# Altium PCB PCB.PcbDoc
Units mm, origin at the board's own origin, x right, y up, seen from the top; angles counter-clockwise.
Board outline 110 x 84.2 mm, 2 copper layers (Top Layer, Bottom Layer); 112 components, 98 nets, 406 pads, 434 vias.
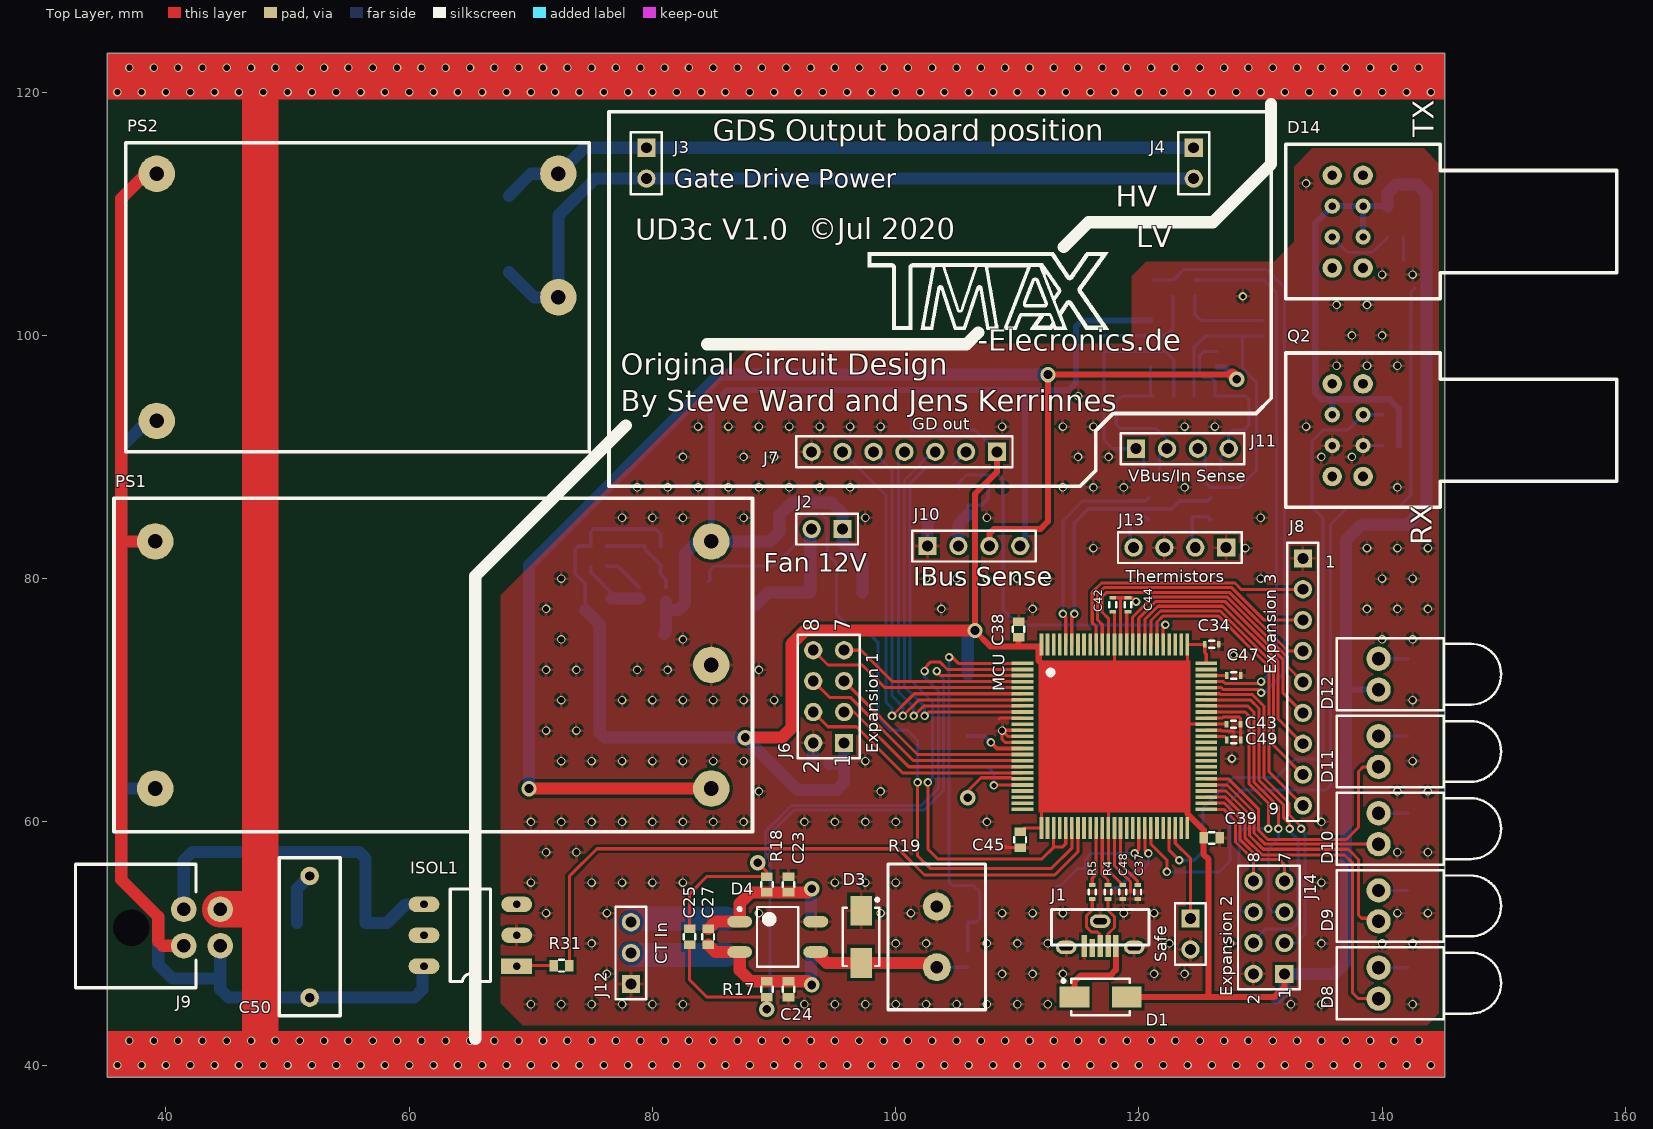
[diagram p0: Top Layer view]
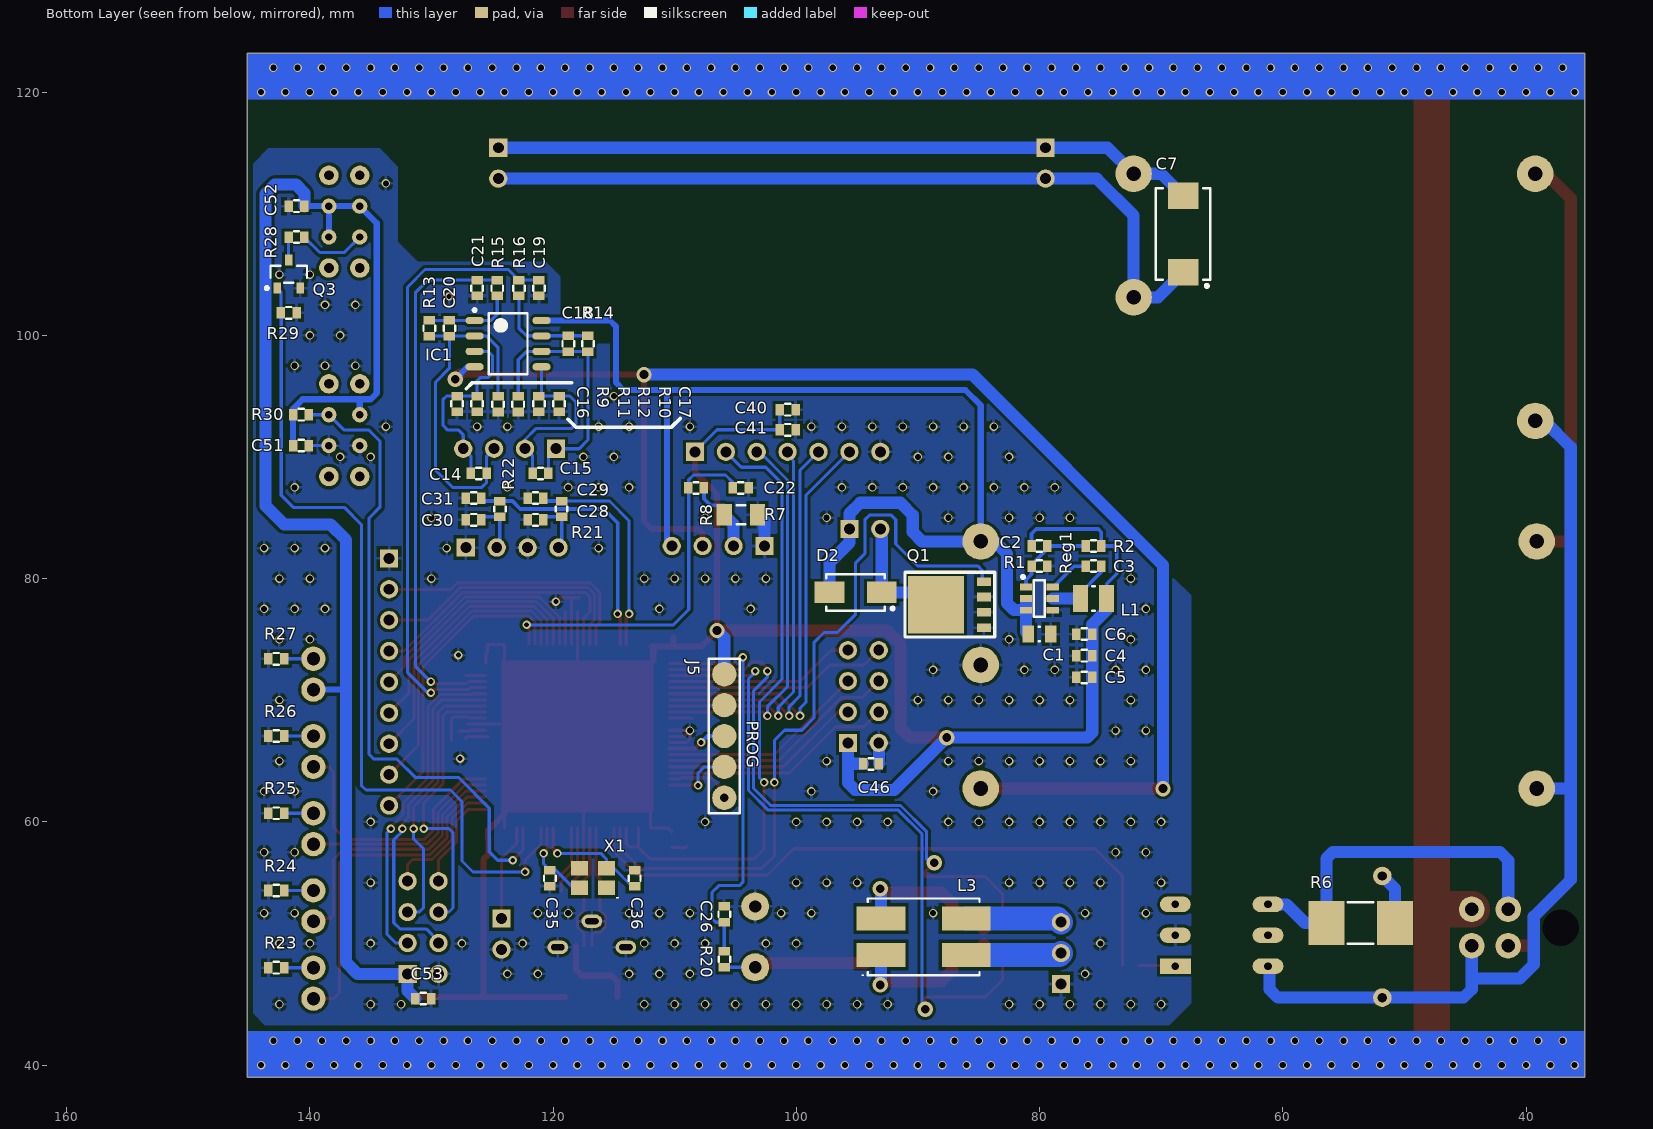
[diagram p1: Bottom Layer view, seen from below]
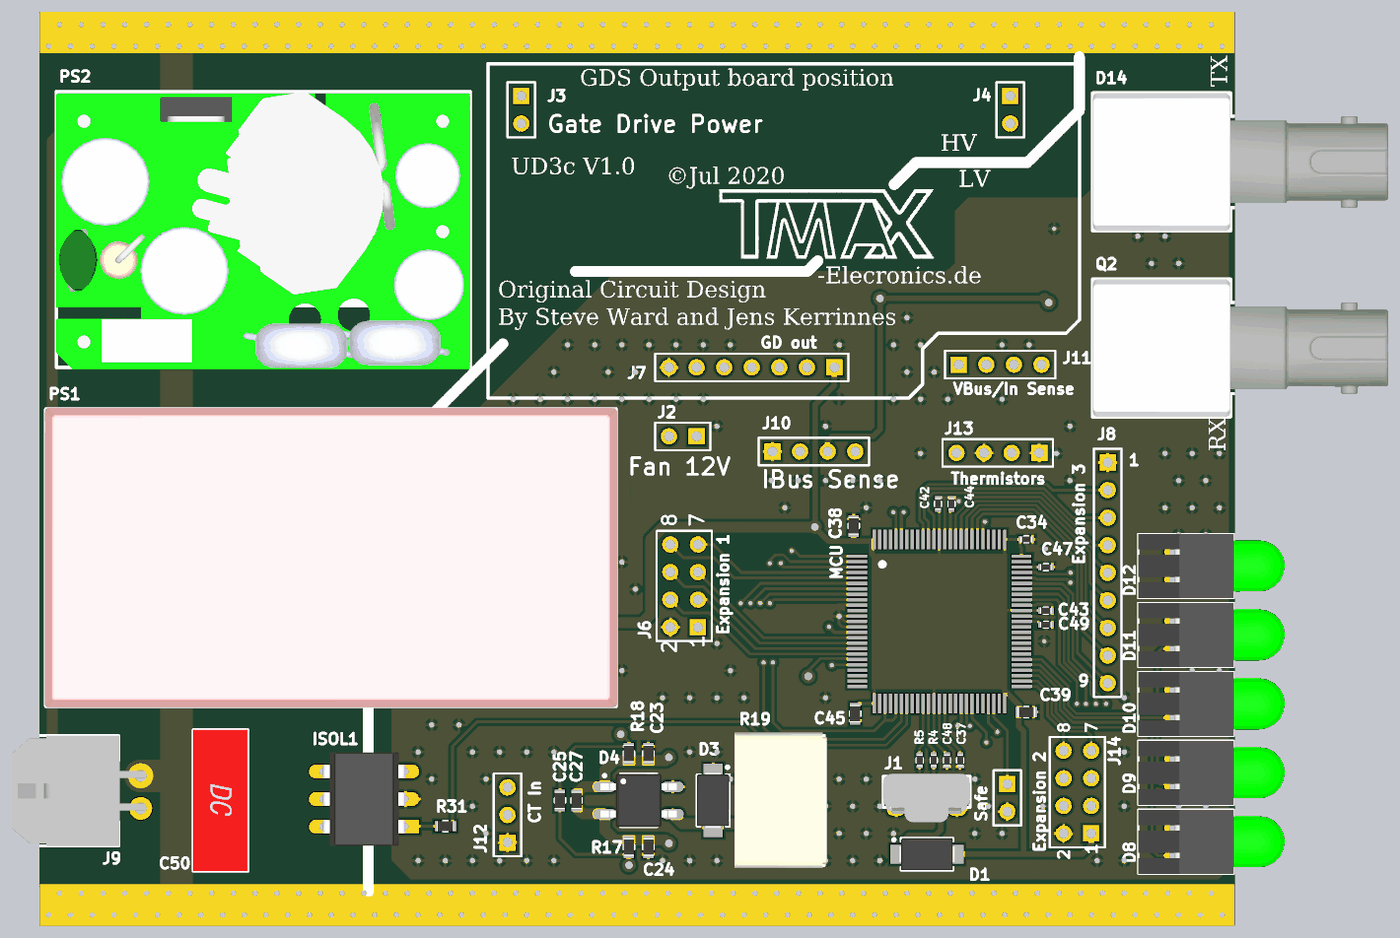
[diagram p2: 3D render of the assembled board from above, using the file's embedded part models]
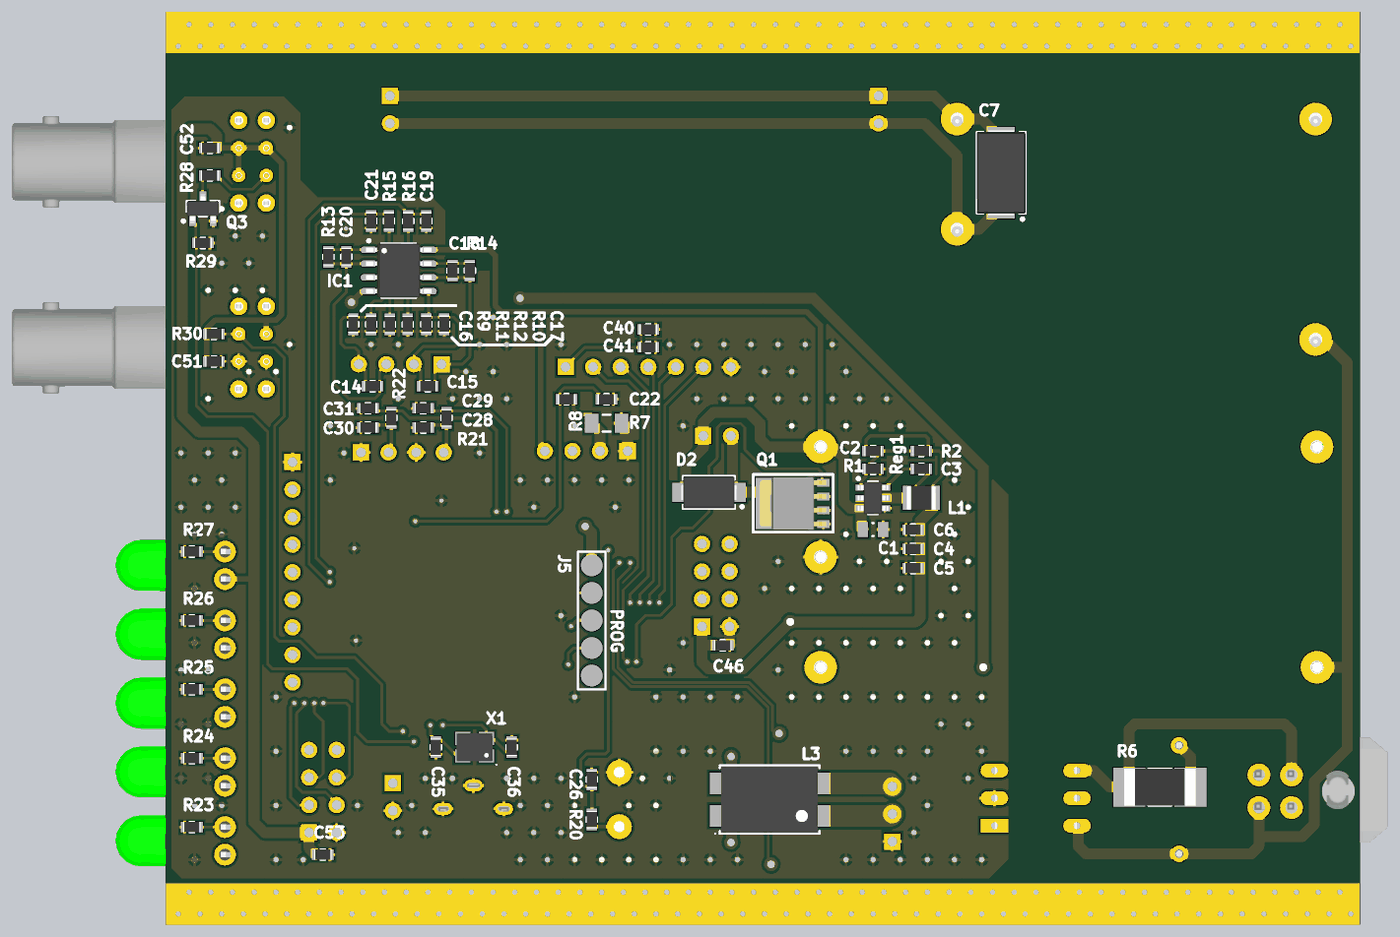
[diagram p3: 3D render of the assembled board from below, using the file's embedded part models]

## Layer stack, top to bottom
Top Solder: solder mask 0.0102, Solder Resist, Dk 3.5
Top Layer: signal copper 0.0356
Dielectric 1: dielectric 0.32, FR-4, Dk 4.8
Bottom Layer: signal copper 0.0356
Bottom Solder: solder mask 0.0102, Solder Resist, Dk 3.5

## Board outline
35.161,38.989 35.161,123.189 145.161,123.189 145.161,38.989

## Design rules (kind name [scope] priority, off if disabled: settings)
Clearance [All] p1: gap=0.254 ignorepadtopadclearanceinfootprint=FALSE except(0: Arc-Hole Track-Hole SMDPad-Hole THPad-Hole Via-Hole Fill-Hole Poly-Hole Region-Hole Text-Hole; 0.127: Arc-Arc Arc-Track Arc-SMDPad Arc-THPad Arc-Via Track-Track Track-SMDPad Track-THPad Track-Via SMDPad-SMDPad SMDPad-THPad SMDPad-Via THPad-THPad THPad-Via Via-Via)
DiffPairsRouting [All] p1: maxlimit=0.254 minlimit=0.254 mostfreqgap=0.254 toplayer_minwidth=0.381 toplayer_maxwidth=0.381 toplayer_prefwidth=0.381 bottomlayer_minwidth=0.381 bottomlayer_maxwidth=0.381 bottomlayer_prefwidth=0.381 maxuncoupledlength=12.7
PolygonConnect [All] p1: connectstyle=Relief reliefconductorwidth=0.254 reliefentries=4 polygonreliefangle="90 Angle" airgapwidth=0.254
RoutingVias [All] p1: holewidth=0.711 width=1.27 viastyle="Through Hole" minholewidth=0.711 minwidth=1.27 maxholewidth=0.711 maxwidth=1.27
SolderMaskExpansion [All] p1: expansion=0.102
Width [All] p1: maxlimit=10 minlimit=0.127 preferedwidth=0.3 minimp=50.000000 maximp=50.000000 favimp=50.000000
29 further rules are at their usual default settings.

## Classes and differential pairs
differential pair D: +D_P -D_N

## Components (designator, comment, footprint, x,y, rotation, side; value= is the part's Value field where it differs from the comment)
C1 "10uF 12V" 0805 80.01,75.438 r0 bottom
C2 "100p" 0603 80.01,82.677 r180 bottom
C3 "100n" 0603 75.565,81.026 r180 bottom
C4 "100n" 0603 76.312,73.66 r0 bottom
C5 "100n" 0603 76.312,71.882 r0 bottom
C6 "100n" 0603 76.312,75.438 r0 bottom
C7 "22uF 25V" "2917 Tantalum" 68.199,108.331 r270 bottom
C14 "C0805C103K1RACTU" 0603 126.111,88.646 r0 bottom value=10nF
C15 "C0805C103K1RACTU" 0603 121.031,88.646 r0 bottom value=10nF
C16 "C0805C103K1RACTU" 0603 127.889,94.361 r90 bottom value=10nF
C17 "C0805C103K1RACTU" 0603 119.507,94.361 r90 bottom value=10nF
C18 "C0805C103K1RACTU" 0603 118.745,99.314 r90 bottom value=10nF
C19 "C0805C102K5RACTU" 0603 121.158,103.886 r90 bottom value=1nF
C20 "C0805C103K1RACTU" 0603 128.524,100.584 r90 bottom value=10nF
C21 "C0805C102K5RACTU" 0603 126.238,103.886 r90 bottom value=1nF
C22 "1n" 0603 104.565,87.46 r0 bottom
C23 "C0805C151J5GACTU" 0603 91.186,54.849 r270 top value=150pF
C24 "C0805C151J5GACTU" 0603 91.186,46.243 r90 top value=150pF
C25 "C0805C151J5GACTU" 0603 83.058,50.546 r270 top value=150pF
C26 "C0805C151J5GACTU" 0603 105.918,52.396 r270 bottom value=150pF
C27 "C0805C102K5RACTU" 0603 84.582,50.546 r270 top value=1nF
C28 "C0805C105K4RACTU" 0603 121.439,84.836 r180 bottom value=0.1uF
C29 "C0805C105K4RACTU" 0603 121.439,86.614 r180 bottom value=0.1uF
C30 "C0805C105K4RACTU" 0603 126.534,84.836 r180 bottom value=0.1uF
C31 "C0805C105K4RACTU" 0603 126.534,86.614 r180 bottom value=0.1uF
C34 "1uF" 0402 125.984,74.597 r180 top
C35 "18pF" 0603 120.269,55.372 r270 bottom
C36 "18pF" 0603 113.284,55.372 r90 bottom
C37 "1uF" 0402 119.888,54.229 r270 top
C38 "1uF" 0603 110.101,75.819 r90 top
C39 "100nF" 0603 125.984,58.674 r0 top
C40 "10uF" 0603 100.711,93.886 r180 bottom
C41 "100n" 0603 100.711,92.235 r180 bottom
C42 "1uF" 0402 117.848,77.851 r90 top
C43 "1uF" 0402 127.778,68.021 r0 top
C44 "1uF" 0402 119.101,77.851 r90 top
C45 "1uF" 0603 110.236,58.532 r270 top
C46 "100nF" 0603 93.853,64.77 r0 bottom
C47 "100nF" 0402 127.784,72.031 r180 top
C48 "1uF" 0402 118.676,54.229 r90 top
C49 "1uF" 0402 127.787,66.726 r180 top
C50 "10nF 275V AC" "Würth Film Cap 13x5" 51.816,50.546 r270 top
C51 "1uF" 0603 140.716,90.932 r180 bottom
C52 "100nF" 0603 141.097,110.617 r180 bottom
C53 "C0805C104K5RACTU" 0603 130.683,45.466 r0 bottom value=0.1uF
D1 "Diode" DO-214 116.84,45.593 r0 top
D2 "Diode" DO-214 95.123,78.867 r0 bottom
D3 "SMBJ5.0A-TR" do-214 97.155,50.546 r270 top
D4 "Bridge1" MBS-2 90.297,50.546 r0 top
D8 "Interrupt" "LED 5mm Right angle" 139.7,46.736 r90 top
D9 "Fault" "LED 5mm Right angle" 139.7,53.086 r90 top
D10 "Current Limit" "LED 5mm Right angle" 139.7,59.436 r90 top
D11 "Serial Data" "LED 5mm Right angle" 139.7,65.786 r90 top
D12 "Power" "LED 5mm Right angle" 139.7,72.136 r90 top
D14 "HFBR-141X" HFBR-1414MZ 138.43,109.347 r90 top
IC1 "TL082BCD" SOIC8 123.698,99.314 r180 bottom (schematic designator U?)
ISOL1 "OptoTriac" Dip6 68.834,48.133 r180 top (schematic designator T?)
J1 "USB 2.0 Type B Micro" WM9734CT 116.81,49.934 r180 top
J2 "Fan 12V" HDR1X2 95.631,84.074 r180 top
J3 "Gate Drive Power" HDR1X2 79.502,115.424 r270 top
J4 "Gate Drive Power" HDR1X2 124.502,115.424 r270 top
J5 "PROG" HDR1X5 105.918,72.136 r270 bottom
J6 "Expansion 1" HDR2X4 95.758,66.491 r90 top
J7 "GD out" HDR1X7 108.331,90.424 r180 top
J8 "Expansion 3" HDR1X9 133.477,81.661 r270 top
J9 "Mains in" "Micro Fit 4 Pin" 39.497,51.308 r270 top
J10 "IBus Sense" HDR1X4 102.616,82.677 r0 top
J11 "VBus/In Sense" HDR1X4 119.761,90.678 r0 top
J12 "CT In" HDR1X3 78.232,46.666 r90 top
J13 "Thermistors" HDR1X4 127.169,82.55 r180 top
J14 "Expansion 2" HDR2X4 131.953,47.498 r90 top
L1 "10uH SW" 1008 75.565,78.359 r180 bottom
L3 "DLW5BTN501SQ2L" "SON127P600 4 POS (8.50mm x 5.60mm)" 89.535,50.546 r180 bottom
MCU "CY8C5868AXI-LP032" TQFP100 117.983,67.056 r0 top locked
PS1 "RAC20" "RAC20 Power supply" 61.976,72.898 r0 top locked
PS2 "CFM12 PS" "CFM12 power supply" 55.753,103.124 r0 top locked
Q1 "Mosfet N" LFPAK56 86.868,77.851 r90 bottom
Q2 "HFBR-141X" "HFBR-1414MZ - receiver" 138.43,92.202 r90 top locked
Q3 "Mosfet N" "sot 23" 141.732,105.029 r90 bottom
R1 "30k" 0603 80.01,81.026 r0 bottom
R2 "158k" 0603 75.565,82.677 r180 bottom
R4 "22" 0402 117.46,54.229 r270 top
R5 "22" 0402 116.16,54.229 r270 top
R6 "47Ohm 350V" 2512 53.594,51.689 r180 bottom
R7 "49.9" 1206 104.554,85.248 r180 bottom
R8 "470" 0603 108.241,87.46 r0 bottom
R9 "RN732ATTD2501B25" 0603 126.238,94.361 r90 bottom
R10 "RN732ATTD2501B25" 0603 121.158,94.361 r270 bottom
R11 "RN732BTTD5001B25" 0603 124.515,94.346 r90 bottom
R12 "RN732BTTD5001B25" 0603 122.864,94.346 r90 bottom
R13 "RN732BTTD5001B25" 0603 130.175,100.584 r90 bottom
R14 "RN732BTTD5001B25" 0603 117.141,99.314 r90 bottom
R15 "CRCW08051K00FKEA" 0603 124.587,103.886 r90 bottom value=1k
R16 "CRCW08051K00FKEA" 0603 122.809,103.886 r90 bottom value=1k
R17 "CRCW0805100RFKEA" 0603 89.408,46.243 r270 top value=100
R18 "CRCW0805100RFKEA" 0603 89.408,54.849 r90 top value=100
R19 "261-3.3-RC" "SQM-03 3W" 103.378,50.546 r90 top value=3.3
R20 "CRCW08051K00FKEA" 0603 105.918,48.696 r90 bottom value=1k
R21 "CRCW0805100RFKEA" 0603 119.295,85.725 r90 bottom value=100
R22 "CRCW0805100RFKEA" 0603 124.375,85.725 r90 bottom value=100
R23 "1k" 0603 142.748,48.006 r0 bottom
R24 "1k" 0603 142.748,54.356 r0 bottom
R25 "1k" 0603 142.748,60.706 r0 bottom
R26 "1k" 0603 142.748,67.056 r0 bottom
R27 "1k" 0603 142.748,73.406 r0 bottom
R28 "47Ohm" 0603 141.097,108.077 r180 bottom
R29 "1k" 0603 141.732,101.854 r0 bottom
R30 "680" 0603 140.716,93.472 r0 bottom
R31 "220" 0603 72.517,48.171 r0 top
Reg1 "Buck regulator" TSOT26 80.01,78.359 r180 bottom
Safe "Default" HDR1X2 124.233,52.046 r270 top
X1 "16MHz" "ECS-3225MV Oscillator" 116.713,55.372 r0 bottom

## Footprints (in the part's own frame and the unit in brackets; to place one, negate y for a bottom-side part, rotate by r counter-clockwise, add the part's x,y. Pads: shape width x height; smd on the part's side, far side on the other; paste and mask are expansions set on the pad)
0402 [mm]
  rect 0.3x0.55 smd: 1(-0.575,0) 2(0.575,0)
  silkscreen extent -0.2,-0.28 0.2,0.28, body extent -0.52,-0.27 0.53,0.28, height 0.4
0603 [mm] "Chip Resistor, 2-Leads, Body 1.55x0.85mm, IPC Medium Density"
  rect 0.7x0.95 smd: 1(-0.65,0) 2(0.65,0)
  silkscreen extent -0.2,-0.48 0.2,0.48, body extent -0.8,-0.48 0.8,0.47, height 0.55
0805 [mm] "Chip Resistor, 2-Leads, Body 2.00x1.25mm, IPC Medium Density"
  rect 0.95x1.4 smd: 1(-0.925,0) 2(0.925,0)
  silkscreen extent -0.05,-0.6 0.05,0.6, body extent -1.05,-0.7 1.05,0.7, height 0.55
1008 [mm] "Chip Inductor, 2-Leads, Body 2,50x2,00mm, IPC Medium Density"
  rect 1.23x2.22 smd: 1(-1.085,0) 2(1.085,0)
  silkscreen extent -0.1,-1.01 0.1,1.01, body extent -1.35,-1.1 1.35,1.1, height 1.2
1206 [mm] "Chip Resistor, 2-Leads, Body 3.15x1.60mm, IPC Medium Density"
  rect 1.25x1.75 smd: 1(-1.375,0) 2(1.375,0)
  silkscreen extent -0.35,-0.77 0.35,0.77, body extent -1.65,-0.87 1.65,0.87, height 0.65
2512 [mm] "Chip Resistor, 2-Leads, Body 6.35x3.18mm, IPC Medium Density"
  rect 2.95x3.6 smd: 1(-2.825,0) 2(2.825,0)
  silkscreen extent -1.05,-1.7 1.05,1.7, body extent -3.3,-1.71 3.3,1.71, height 0.85
"2917 Tantalum" [mm] "Molded Capacitor, 2-Leads, Body 7.30x4.30mm, IPC Medium Density"
  rect 2.15x2.5 smd: 1(-3.15,0) 2(3.15,0)
  silkscreen extent -3.75,-2.25 4.39,2.25, body extent -3.97,-2.25 3.97,2.25, height 3.1
"CFM12 power supply" [mm]
  round 3 hole 1.2: 1(-16.51,10.16) 2(-16.51,-10.16) 3(16.51,0) 4(16.51,10.16)
  silkscreen extent -19.05,-12.7 19.05,12.7, body extent -19.05,-12.9 19.05,12.7, height 18
Dip6 [mm]
  rect 2.54x1.27 hole 0.635: 1(0,0)
  oval 2.54x1.27 hole 0.635: 2(0,-2.54) 3(0,-5.08) 4(7.62,-5.08) 5(7.62,-2.54) 6(7.62,0)
  silkscreen extent 2.16,-6.35 5.46,1.27, body extent 0,-6.84 7.62,1.76, height 4.78
DO-214 [mm] "Molded Diode, 2-Leads, Body 4.38x2.73mm, IPC Medium Density"
  rect 2.45x1.75 smd: 1(-2.15,0) 2(2.15,0)
  silkscreen extent -3.17,-1.5 2.4,1.5, body extent -2.59,-1.47 2.59,1.47, height 2.2
do-214 [mm] "Molded Diode, 2-Leads, Body 4.38x2.73mm, IPC Medium Density"
  rect 2.45x1.75 smd: 1(-2.15,0) 2(2.15,0)
  silkscreen extent -3.17,-1.5 2.4,1.5, body extent -2.6,-1.48 2.6,1.48, height 2.2
"ECS-3225MV Oscillator" [mm] "SON, 4-Leads, Body 2,50x3,20mm, Pitch 1,60mm, Thermal Pad 0,00x0,00mm, IPC Low Density"
  rect 1.4x1.2 smd: 1(-1.1,0.8) 2(-1.1,-0.8) 3(1.1,-0.8) 4(1.1,0.8)
  silkscreen extent -2.06,1.56 -1.96,1.66, body extent -1.65,-1.3 1.65,1.3, height 1.2
HDR1X2 [mm] "Connector; Header; 2 Position"
  rect 1.5x1.5 hole 0.9: 1(0,0)
  round 1.5 hole 0.9: 2(2.54,0)
  silkscreen extent -1.27,-1.27 3.81,1.27
HDR1X3 [mm] "Connector; Header; 3 Position"
  rect 1.5x1.5 hole 0.9: 1(0,0)
  round 1.5 hole 0.9: 2(2.54,0) 3(5.08,0)
  silkscreen extent -1.27,-1.27 6.35,1.27
HDR1X4 [mm] "Connector; Header; 4 Position"
  rect 1.5x1.5 hole 0.9: 1(0,0)
  round 1.5 hole 0.9: 2(2.54,0) 3(5.08,0) 4(7.62,0)
  silkscreen extent -1.27,-1.27 8.89,1.27
HDR1X5 [mm] "Connector; Header; 5 Position"
  round 2 smd: 1(0,0) 2(2.54,0) 3(5.08,0) 4(7.62,0) 5(10.16,0)
  silkscreen extent -1.27,-1.27 11.43,1.27
HDR1X7 [mm] "Connector; Header; 7 Position"
  rect 1.5x1.5 hole 0.9: 1(0,0)
  round 1.5 hole 0.9: 2(2.54,0) 3(5.08,0) 4(7.62,0) 5(10.16,0) 6(12.7,0) 7(15.24,0)
  silkscreen extent -1.27,-1.27 16.51,1.27
HDR1X9 [mm] "Connector; Header; 9 Position"
  rect 1.5x1.5 hole 0.9: 1(0,0)
  round 1.5 hole 0.9: 2(2.54,0) 3(5.08,0) 4(7.62,0) 5(10.16,0) 6(12.7,0) 7(15.24,0) 8(17.78,0) 9(20.32,0)
  silkscreen extent -1.27,-1.27 21.59,1.27
HDR2X4 [mm] "Connector; Header; 4x2 Position"
  rect 1.5x1.5 hole 0.9: 1(0,0)
  round 1.5 hole 0.9: 2(0,2.54) 3(2.54,0) 4(2.54,2.54) 5(5.08,0) 6(5.08,2.54) 7(7.62,0) 8(7.62,2.54)
  silkscreen extent -1.27,-1.27 8.89,3.81
HFBR-1414MZ [mm]
  round 1.25 hole 0.6: A(-1.27,0) A(1.27,2.54) A(1.27,0) C(-1.27,2.54)
  round 1.6 hole 0.8: ""(-3.81,0) ""(-3.81,2.54) ""(3.81,0) ""(3.81,2.54)
  silkscreen extent -6.35,-20.85 6.35,6.35, body extent -6.35,-20.85 6.35,6.35, height 10.2
"HFBR-1414MZ - receiver" [mm]
  round 1.25 hole 0.6: 2(1.27,2.54) 3(-1.27,2.54) 3(-1.27,0) 6(1.27,0)
  round 1.6 hole 0.8: ""(-3.81,0) ""(-3.81,2.54) ""(3.81,0) ""(3.81,2.54)
  silkscreen extent -6.35,-20.85 6.35,6.35, body extent -6.35,-20.85 6.35,6.35, height 10.2
"LED 5mm Right angle" [mm]
  round 2 hole 1.1: 1(-1.27,0) 2(1.27,0)
  silkscreen extent -2.95,-10.08 2.95,3.42, body extent -2.95,-10.08 2.95,3.42, height 6
LFPAK56 [mm]
  rect 4.7x4.6 smd: D(0,1.639)
  rect 0.7x1.15 smd: G(1.905,-2.286) S(-1.905,-2.286) S(-0.635,-2.286) S(0.635,-2.286)
  silkscreen extent -2.67,-3.19 2.67,4.18, body extent -2.4,-2.56 2.41,3.55, height 0.98
MBS-2 [mm] "SOP, 4-Leads, Body 4,70x4,00mm, Pitch 2,50mm, IPC Low Density"
  oval 2.05x0.95 smd: 1(-3.125,1.25) 2(-3.125,-1.25) 3(3.125,-1.25) 4(3.125,1.25)
  silkscreen extent -3.25,-2.45 1.7,2.45, body extent -3.5,-2.45 3.5,2.45, height 2.7
"Micro Fit 4 Pin" [mm]
  round 2.1 hole 1.1: 1(1.5,4.968) 2(1.5,1.969) 3(-1.5,4.968) 4(-1.5,1.968)
  round 0 hole 3: 13(0,-2.351)
  silkscreen extent -5.21,-6.95 4.95,2.96, body extent -5.2,-6.88 4.95,5.36, height 8.83
"RAC20 Power supply" [mm]
  round 3 hole 1.2: 1(-22.86,10.16) 2(-22.86,-10.16) 3(22.86,-10.16) 4(22.86,0) 5(22.86,10.16)
  silkscreen extent -26.25,-13.7 26.25,13.7, body extent -26.35,-13.8 26.35,13.8, height 23.15
SOIC8 [mm] "SOIC, 8-Leads, Body 4.90x3.90mm, Pitch 1.27mm, IPC Medium Density"
  oval 1.5x0.6 smd: 1(-2.75,1.905) 2(-2.75,0.635) 3(-2.75,-0.635) 4(-2.75,-1.905) 5(2.75,-1.905) 6(2.75,-0.635) 7(2.75,0.635) 8(2.75,1.905)
  silkscreen extent -2.88,-2.5 1.6,2.88, body extent -3,-2.5 3,2.5, height 1.75
"SON127P600 4 POS (8.50mm x 5.60mm)" [mm] "SON, 4-Leads, Body 5.60x8.50mm, Pitch 3.00mm, IPC High Density, Würth Choke"
  rect 4x2 smd: 1(-3.5,-1.5) 2(-3.5,1.5) 3(3.5,1.5) 4(3.5,-1.5)
  silkscreen extent -5.05,-3.2 4.6,3.15, body extent -4.45,-3 4.45,3, height 3.2
"sot 23" [mm] "SOT23, 3-Leads, Body 2.90x2.30mm, Pitch 0.95mm, IPC Medium Density"
  rect 0.9x0.6 smd: 1(-1.15,0.95) 2(-1.15,-0.95) 3(1.15,0)
  silkscreen extent -1.27,-1.5 0.7,1.93, body extent -1.3,-1.5 1.3,1.5, height 1.1
"SQM-03 3W" [mm] "SQM-03 3W"
  round 2.3 hole 1: 1(2.5,0) 2(-2.5,0)
  silkscreen extent -6,-4 6,4, body extent -6.25,-4.25 6.25,4.25, height 25
TQFP100 [mm]
  rect 1.8x0.3 smd: 1(-7.55,5.975) 2(-7.55,5.475) 3(-7.55,4.975) 4(-7.55,4.475) 5(-7.55,3.975) 6(-7.55,3.475) 7(-7.55,2.975) 8(-7.55,2.475) 9(-7.55,1.975) 10(-7.55,1.475) 11(-7.55,0.975) 12(-7.55,0.475) 13(-7.55,-0.025) 14(-7.55,-0.525) 15(-7.55,-1.025) 16(-7.55,-1.525) 17(-7.55,-2.025) 18(-7.55,-2.525) 19(-7.55,-3.025) 20(-7.55,-3.525) 21(-7.55,-4.025) 22(-7.55,-4.525) 23(-7.55,-5.025) 24(-7.55,-5.525) 25(-7.55,-6.025) 51(7.55,-6.025) 52(7.55,-5.525) 53(7.55,-5.025) 54(7.55,-4.525) 55(7.55,-4.025) 56(7.55,-3.525) 57(7.55,-3.025) 58(7.55,-2.525) 59(7.55,-2.025) 60(7.55,-1.525) 61(7.55,-1.025) 62(7.55,-0.525) 63(7.55,-0.025) 64(7.55,0.475) 65(7.55,0.975) 66(7.55,1.475) 67(7.55,1.975) 68(7.55,2.475) 69(7.55,2.975) 70(7.55,3.475) 71(7.55,3.975) 72(7.55,4.475) 73(7.55,4.975) 74(7.55,5.475) 75(7.55,5.975)
  rect 0.3x1.8 smd: 26(-6,-7.575) 27(-5.5,-7.575) 28(-5,-7.575) 29(-4.5,-7.575) 30(-4,-7.575) 31(-3.5,-7.575) 32(-3,-7.575) 33(-2.5,-7.575) 34(-2,-7.575) 35(-1.5,-7.575) 36(-1,-7.575) 37(-0.5,-7.575) 38(0,-7.575) 39(0.5,-7.575) 40(1,-7.575) 41(1.5,-7.575) 42(2,-7.575) 43(2.5,-7.575) 44(3,-7.575) 45(3.5,-7.575) 46(4,-7.575) 47(4.5,-7.575) 48(5,-7.575) 49(5.5,-7.575) 50(6,-7.575) 76(6,7.525) 77(5.5,7.525) 78(5,7.525) 79(4.5,7.525) 80(4,7.525) 81(3.5,7.525) 82(3,7.525) 83(2.5,7.525) 84(2,7.525) 85(1.5,7.525) 86(1,7.525) 87(0.5,7.525) 88(0,7.525) 89(-0.5,7.525) 90(-1,7.525) 91(-1.5,7.525) 92(-2,7.525) 93(-2.5,7.525) 94(-3,7.525) 95(-3.5,7.525) 96(-4,7.525) 97(-4.5,7.525) 98(-5,7.525) 99(-5.5,7.525) 100(-6,7.525)
  silkscreen extent -5.35,5.12 -5.15,5.32, body extent -7,-7.03 7,6.97, height 1.45
TSOT26 [mm] "SOT23, 6-Leads, Body 2.90x2.80mm, Pitch 0.95mm, IPC Medium Density"
  rect 1x0.55 smd: 1(-1.099,0.95) 2(-1.099,0) 3(-1.099,-0.95) 4(1.099,-0.95) 5(1.099,0) 6(1.099,0.95)
  silkscreen extent -1.48,-1.5 0.45,1.9, body extent -1.4,-1.5 1.4,1.5, height 1